# Allegro board RK3588_Template_LP4XD200P232SD10_32R6X52R0_2133MHz_H0R80_V10_20230220.brd
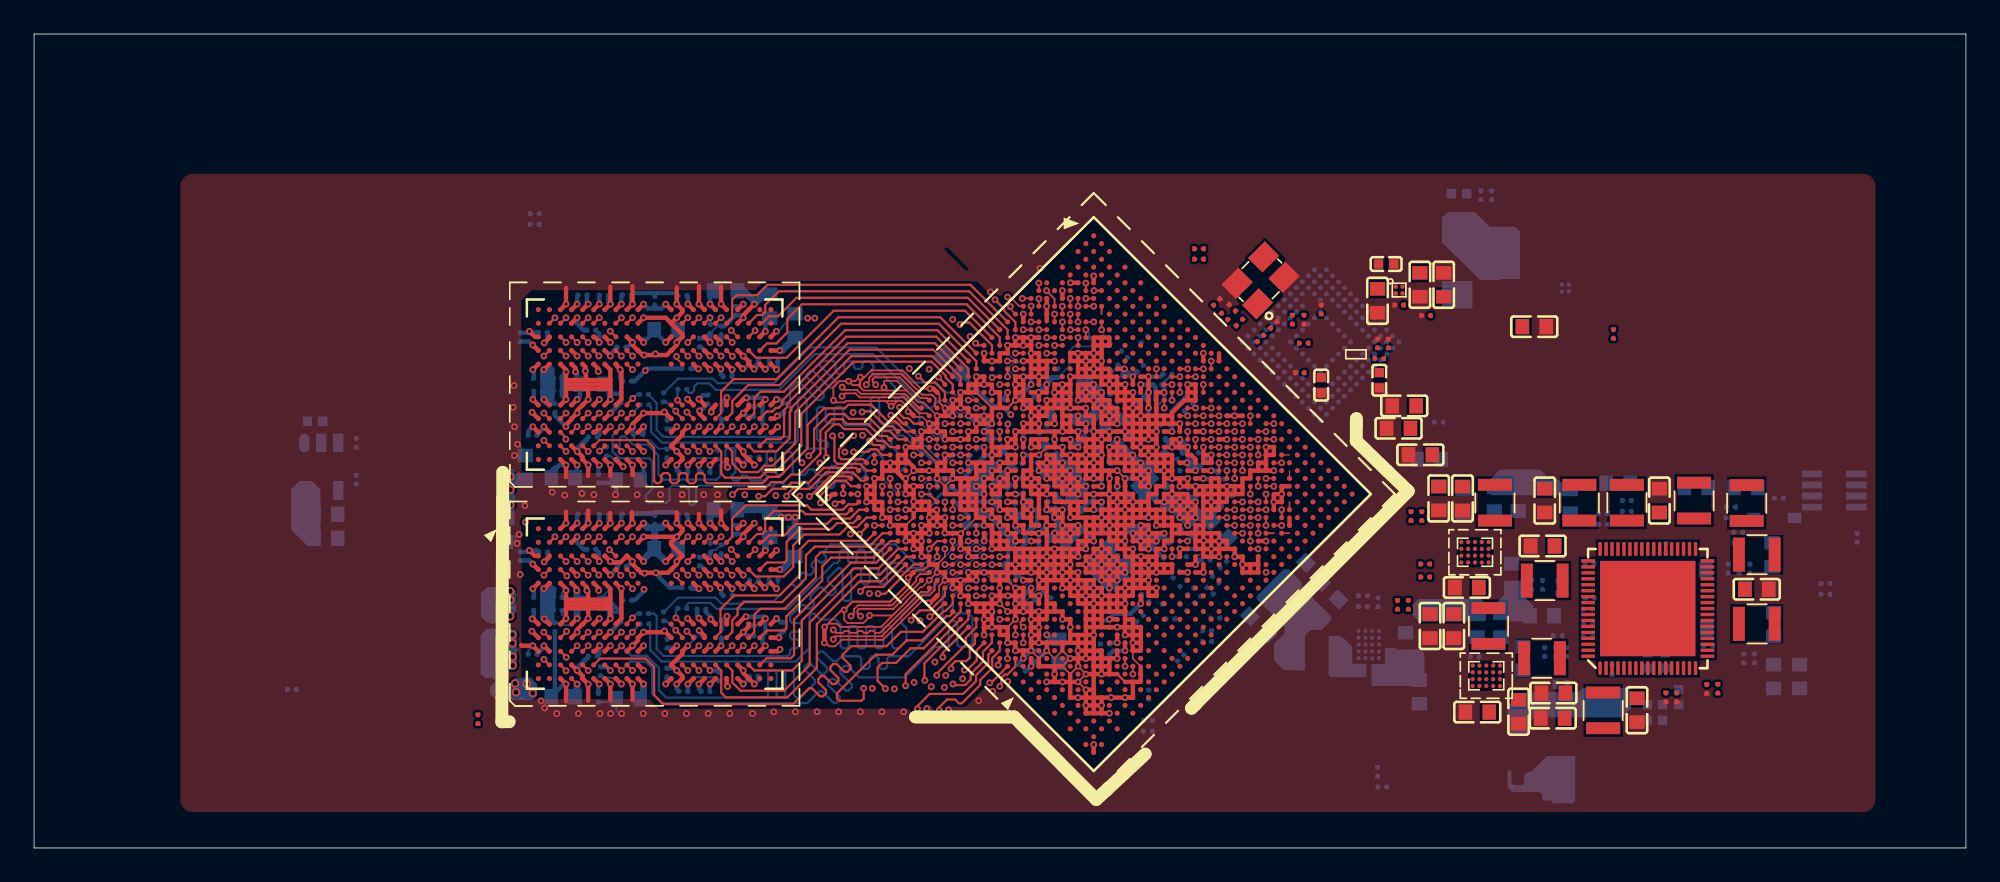
[diagram p0: board, top side]
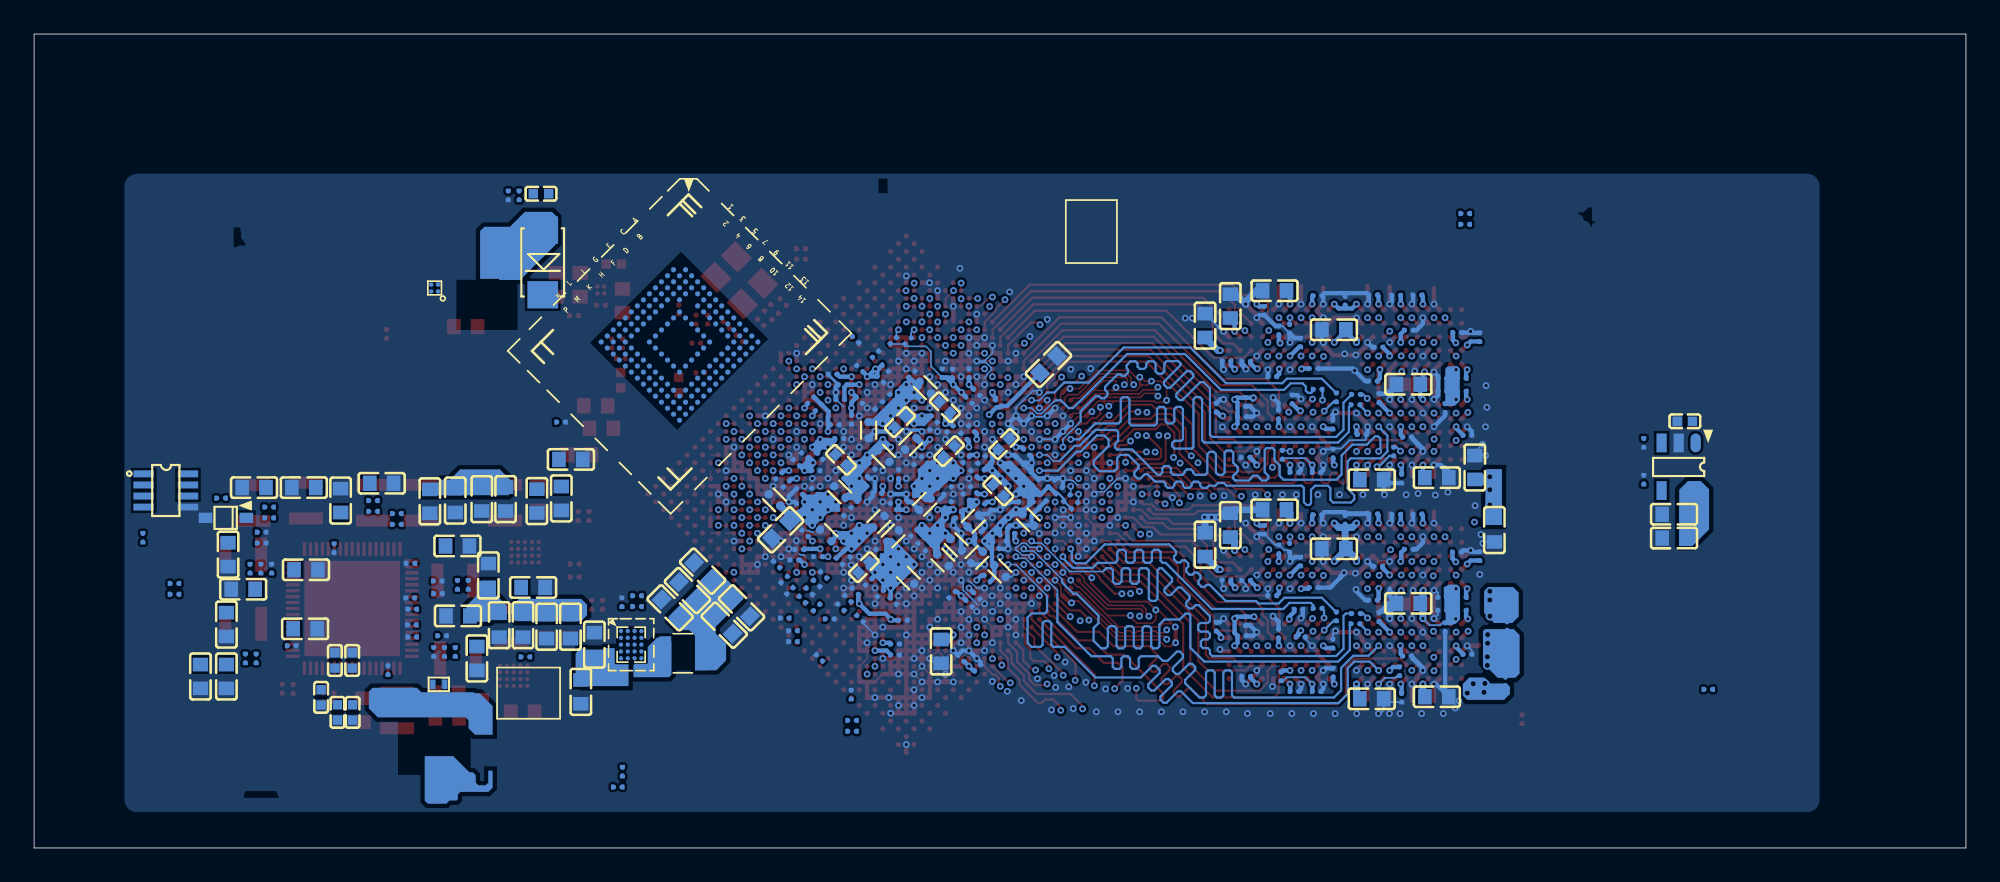
[diagram p1: board, bottom side, seen from below]

Outline 113.38 x 47.8 mm; copper layers: TOP, L2-GND1, L3-POWER1, L4-S1, L5-GND2, L6-S2, L7-GND3, L8_S3, L9_GND4, BOTTOM. Coordinates in mm from the lower left corner of the outline.
Outline path: 0,47.8 0,0 113.38,0 113.38,47.8 0,47.8

## Design rules (mm)
net group DDR_CH0_LP4/4X_CKE0/LP5_CS0_A: nets DDR_CH0_LP4/4X_CKE0/LP5_CS0_A DDR_CH0_LP4/4X_CKE0_A
net group DDR_CH0_LP4/4X_CKE0/LP5_CS0_B: nets DDR_CH0_LP4/4X_CKE0/LP5_CS0_B DDR_CH0_LP4/4X_CKE0_B
net group DDR_CH0_LP4/4X_CKE1/LP5_CS1_A: nets DDR_CH0_LP4/4X_CKE1/LP5_CS1_A DDR_CH0_LP4/4X_CKE1_A
net group DDR_CH0_LP4/4X_CKE1/LP5_CS1_B: nets DDR_CH0_LP4/4X_CKE1/LP5_CS1_B DDR_CH0_LP4/4X_CKE1_B
net group DDR_CH1_LP4/4X_CKE0/LP5_CS0_C: nets DDR_CH1_LP4/4X_CKE0/LP5_CS0_C DDR_CH1_LP4/4X_CKE0_C
net group DDR_CH1_LP4/4X_CKE0/LP5_CS0_D: nets DDR_CH1_LP4/4X_CKE0/LP5_CS0_D DDR_CH1_LP4/4X_CKE0_D
net group DDR_CH1_LP4/4X_CKE1/LP5_CS1_C: nets DDR_CH1_LP4/4X_CKE1/LP5_CS1_C DDR_CH1_LP4/4X_CKE1_C
net group DDR_CH1_LP4/4X_CKE1/LP5_CS1_D: nets DDR_CH1_LP4/4X_CKE1/LP5_CS1_D DDR_CH1_LP4/4X_CKE1_D
net group EMMC_CLKOUT: nets EMMC_CLKOUT N22937252
net group EMMC_DATA_STROBE: nets EMMC_DATA_STROBE N24452186
net group MIPI_CS1_RX_D0: nets MIPI_CSI1_RX_D0N MIPI_CSI1_RX_D0P
net group MIPI_CSI1_RX_CLK0: nets MIPI_CSI1_RX_CLK0N MIPI_CSI1_RX_CLK0P
net group MIPI_CSI1_RX_CLK1: nets MIPI_CSI1_RX_CLK1N MIPI_CSI1_RX_CLK1P
net group MIPI_CSI1_RX_D2: nets MIPI_CSI1_RX_D2N MIPI_CSI1_RX_D2P
net group MIPI_DPHY0_RX_CLK: nets MIPI_DPHY0_RX_CLKN MIPI_DPHY0_RX_CLKP
net group MIPI_DPHY0_RX_D0: nets MIPI_DPHY0_RX_D0N MIPI_DPHY0_RX_D0P
net group MIPI_DPHY0_RX_D1: nets MIPI_DPHY0_RX_D1N MIPI_DPHY0_RX_D1P
net group MIPI_DPHY0_RX_D2: nets MIPI_DPHY0_RX_D2N MIPI_DPHY0_RX_D2P
net group MIPI_DPHY0_RX_D3: nets MIPI_DPHY0_RX_D3N MIPI_DPHY0_RX_D3P
net group MIPI_DPHY0_TX_CLK: nets MIPI_DPHY0_TX_CLKN MIPI_DPHY0_TX_CLKP
net group MIPI_DPHY0_TX_D0: nets MIPI_DPHY0_TX_D0N MIPI_DPHY0_TX_D0P
net group MIPI_DPHY0_TX_D1: nets MIPI_DPHY0_TX_D1N MIPI_DPHY0_TX_D1P
net group MIPI_DPHY0_TX_D2: nets MIPI_DPHY0_TX_D2N MIPI_DPHY0_TX_D2P
net group MIPI_DPHY0_TX_D3: nets MIPI_DPHY0_TX_D3N MIPI_DPHY0_TX_D3P
net group MIPI_DPHY1_RX_CLK: nets MIPI_DPHY1_RX_CLKN MIPI_DPHY1_RX_CLKP
net group MIPI_DPHY1_RX_D0: nets MIPI_DPHY1_RX_D0N MIPI_DPHY1_RX_D0P
net group MIPI_DPHY1_RX_D1: nets MIPI_DPHY1_RX_D1N MIPI_DPHY1_RX_D1P
net group MIPI_DPHY1_RX_D2: nets MIPI_DPHY1_RX_D2N MIPI_DPHY1_RX_D2P
net group MIPI_DPHY1_RX_D3: nets MIPI_DPHY1_RX_D3N MIPI_DPHY1_RX_D3P
net group MIPI_DPHY1_TX_CLK: nets MIPI_DPHY1_TX_CLKN MIPI_DPHY1_TX_CLKP
net group MIPI_DPHY1_TX_D0: nets MIPI_DPHY1_TX_D0N MIPI_DPHY1_TX_D0P
net group MIPI_DPHY1_TX_D1: nets MIPI_DPHY1_TX_D1N MIPI_DPHY1_TX_D1P
net group MIPI_DPHY1_TX_D2: nets MIPI_DPHY1_TX_D2N MIPI_DPHY1_TX_D2P
net group MIPI_DPHY1_TX_D3: nets MIPI_DPHY1_TX_D3N MIPI_DPHY1_TX_D3P
net group PCIE20_1_REFCLK: nets PCIE20_1_REFCLKN PCIE20_1_REFCLKP
net group PCIE20_1_RXP/SATA30_1_RXP: nets PCIE20_1_RXN/SATA30_1_RXN PCIE20_1_RXP/SATA30_1_RXP
net group PCIE20_1_TXP/SATA30_1_TXP: nets PCIE20_1_TXN/SATA30_1_TXN PCIE20_1_TXP/SATA30_1_TXP
net group TYPEC0_OTG: nets TYPEC0_OTG_DM TYPEC0_OTG_DP
net group TYPEC0_RX2: nets TYPEC0_SSRX2N TYPEC0_SSRX2P
net group TYPEC0_SSRX1: nets TYPEC0_SSRX1N TYPEC0_SSRX1P
net group TYPEC0_SSTX1: nets TYPEC0_SSTX1N TYPEC0_SSTX1P
net group TYPEC0_SSTX2: nets TYPEC0_SSTX2N TYPEC0_SSTX2P
net group TYPEC1_OTG: nets TYPEC1_OTG_DM TYPEC1_OTG_DP
net group BOOT_SARADC_IN0: nets BOOT_SARADC_IN0
net group DDR: nets DDR_RESET
net group DDR_DQS: nets DDR_CH0_DQS0N_A DDR_CH0_DQS0N_B DDR_CH0_DQS0P_A DDR_CH0_DQS0P_B DDR_CH0_DQS1N_A DDR_CH0_DQS1N_B DDR_CH0_DQS1P_A DDR_CH0_DQS1P_B DDR_CH1_DQS0N_C DDR_CH1_DQS0N_D DDR_CH1_DQS0P_C DDR_CH1_DQS0P_D DDR_CH1_DQS1N_C DDR_CH1_DQS1N_D DDR_CH1_DQS1P_C DDR_CH1_DQS1P_D
net group M_MIPI_CSI0: nets MIPI_CSI0_RX_CLK0N MIPI_CSI0_RX_CLK0P MIPI_CSI0_RX_CLK1N MIPI_CSI0_RX_CLK1P MIPI_CSI0_RX_D0N MIPI_CSI0_RX_D0P MIPI_CSI0_RX_D2N MIPI_CSI0_RX_D2P

## Placement (name value [footprint] x y rotation side)
C1200  10uF  [C0402_BGA]  56.69 16.25 225 bottom
C1201  1uF  [C0201]  55.92 22.78 135 bottom
C1202  1uF  [C0201]  55.06 21.92 135 bottom
C1203  100nF  [C0201]  54.61 21.47 135 bottom
C1204  100nF  [C0201]  55.49 22.35 135 bottom
C1205  100nF  [C0201]  54.57 20.14 225 bottom
C1206  1uF  [C0201]  55.42 20.51 315 bottom
C1207  10uF  [C0402_BGA]  55.03 19.26 225 bottom
C1208  1uF  [C0201]  56.51 18.21 225 bottom
C1209  1uF  [C0201]  53.66 21.41 135 bottom
C1210  100nF  [C0201]  56.93 17.78 225 bottom
C1211  100nF  [C0201]  53.22 21 135 bottom
C1212  100nF  [C0201]  54.16 20.57 225 bottom
C1213  1uF  [C0201]  58.22 21.98 45 bottom
C1214  1uF  [C0201]  58.35 24.62 45 bottom
C1215  1uF  [C0201]  58.68 22.82 315 bottom
C1216  1uF  [C0201]  56.02 18.65 45 bottom
C1217  1uF  [C0201]  58.24 21.04 45 bottom
C1218  1uF  [C0201]  57.4 20.02 225 bottom
C1219  1uF  [C0201]  55.13 23.24 225 bottom
C1220  10uF  [C0402_BGA]  58.25 19.19 135 bottom
C1221  4.7uF  [C0402]  56.46 23.72 135 bottom
C1223  100nF  [C0201]  59.14 19.55 315 bottom
C1224  1uF  [C0201]  57.38 22.83 45 bottom
C1225  100nF  [C0201]  58.67 20.61 45 bottom
C1226  10uF  [C0402_BGA]  58.04 17.06 315 bottom
C1227  4.7uF  [C0402]  56.8 20.99 225 bottom
C1228  1uF  [C0201]  58.8 24.17 45 bottom
C1229  100nF  [C0201]  57.98 18.4 135 bottom
C1231  100nF  [C0201]  57.8 22.41 45 bottom
C1232  10uF  [C0603]  53.84 28.39 135 bottom
C3800  10uF  [C0603]  40.58 19.86 0 bottom
C3801  10uF  [C0603]  27.68 18.67 270 bottom
C3802  100nF  [C0201]  33.12 8.82 270 bottom
C3803  100nF  [C0201]  39.04 12.39 180 bottom
C3804  100nF  [C0201]  39.41 9.2 180 bottom
C3805  100nF  [C0201]  34.5 16.54 0 bottom
C3806  100nF  [C0201]  34.44 13.56 90 bottom
C3807  100nF  [C0201]  33.44 19.59 0 bottom
C3808  100nF  [C0201]  39.05 16.82 90 bottom
C3809  22uF  [C0603]  44.66 17.81 90 bottom
C3810  10uF  [C0603]  34.87 8.76 180 bottom
C3811  10uF  [C0603]  37.09 17.57 0 bottom
C3812  1uF  [C0201]  36.43 19.27 90 bottom
C3813  1uF  [C0201]  28.54 17.13 90 bottom
C3814  100nF  [C0201]  43.99 13 90 bottom
C3815  100nF  [C0201]  34.81 14.55 0 bottom
C3816  100nF  [C0201]  38.29 15.29 180 bottom
C3817  100nF  [C0201]  37.14 10.3 90 bottom
C3818  100nF  [C0201]  34.79 19.61 0 bottom
C3819  100nF  [C0201]  38.05 19.56 180 bottom
C3820  100nF  [C0201]  39.17 14.01 180 bottom
C3821  100nF  [C0201]  38.11 9.2 180 bottom
C3822  100nF  [C0201]  40.71 14.82 0 bottom
C3823  100nF  [C0201]  37.16 12 90 bottom
C3824  22uF  [C0603]  32.72 14.36 0 bottom
C3825  10uF  [C0603]  43.17 18.96 90 bottom
C3826  10uF  [C0603]  31.05 8.88 180 bottom
C3827  1uF  [C0201]  32.7 17.54 180 bottom
C3828  1uF  [C0201]  42.24 10.07 0 bottom
C3829  100nF  [C0201]  30.57 12.97 270 bottom
C3830  100nF  [C0201]  32.19 19.6 0 bottom
C3831  100nF  [C0201]  41.17 18.68 270 bottom
C3832  100nF  [C0201]  29.88 17.37 180 bottom
C3833  100nF  [C0201]  43.4 15.73 0 bottom
C3834  100nF  [C0201]  40.33 17.53 90 bottom
C3835  100nF  [C0201]  29.25 11.38 180 bottom
C3836  100nF  [C0201]  42.25 15.71 0 bottom
C3837  100nF  [C0201]  42.5 12.46 180 bottom
C3838  100nF  [C0201]  30.73 13.96 0 bottom
C3839  100nF  [C0201]  40.35 12.59 90 bottom
C3840  100nF  [C0201]  42.27 13.33 270 bottom
C3841  100nF  [C0201]  30.73 14.72 0 bottom
C3842  100nF  [C0201]  32.8 11.27 180 bottom
C3844  1nF  [C0201]  39.69 17.62 270 bottom
C3845  10uF  [C0603]  40.58 32.72 0 bottom
C3846  10uF  [C0603]  28.82 22.34 90 bottom
C3847  100nF  [C0201]  34.44 26.42 90 bottom
C3848  100nF  [C0201]  33.12 21.68 270 bottom
C3849  100nF  [C0201]  33.44 32.45 0 bottom
C3850  100nF  [C0201]  39.41 22.06 180 bottom
C3851  100nF  [C0201]  39.05 29.68 90 bottom
C3852  100nF  [C0201]  34.48 29.41 0 bottom
C3853  100nF  [C0201]  39.55 26.34 90 bottom
C3854  22uF  [C0603]  37.09 30.43 0 bottom
C3855  10uF  [C0603]  34.87 21.62 180 bottom
C3856  10uF  [C0603]  44.66 30.68 90 bottom
C3857  1uF  [C0201]  36.43 32.13 90 bottom
C3858  1uF  [C0201]  28.54 30 90 bottom
C3859  100nF  [C0201]  34.79 32.48 0 bottom
C3860  100nF  [C0201]  40.71 27.68 0 bottom
C3861  100nF  [C0201]  38.29 28.15 180 bottom
C3862  100nF  [C0201]  38.05 32.43 180 bottom
C3863  100nF  [C0201]  37.14 23.16 90 bottom
C3864  100nF  [C0201]  43.99 25.86 90 bottom
C3865  100nF  [C0201]  38.11 22.06 180 bottom
C3866  100nF  [C0201]  37.16 24.86 90 bottom
C3867  100nF  [C0201]  35.46 24.29 180 bottom
C3868  100nF  [C0201]  34.81 27.41 0 bottom
C3869  22uF  [C0603]  43.17 31.82 90 bottom
C3870  10uF  [C0603]  32.72 27.23 0 bottom
C3871  10uF  [C0603]  31.05 21.74 180 bottom
C3872  1uF  [C0201]  32.7 30.4 180 bottom
C3873  1uF  [C0201]  42.28 22.94 0 bottom
C3874  100nF  [C0201]  30.73 27.58 0 bottom
C3875  100nF  [C0201]  42.25 28.58 0 bottom
C3876  100nF  [C0201]  30.73 26.82 0 bottom
C3877  100nF  [C0201]  29.86 30.27 180 bottom
C3878  100nF  [C0201]  42.5 25.33 180 bottom
C3879  100nF  [C0201]  40.33 30.39 90 bottom
C3880  100nF  [C0201]  43.4 28.6 0 bottom
C3881  100nF  [C0201]  41.17 31.55 270 bottom
C3882  100nF  [C0201]  40.35 25.45 90 bottom
C3883  100nF  [C0201]  42.27 26.19 270 bottom
C3884  100nF  [C0201]  32.8 24.13 180 bottom
C3885  100nF  [C0201]  32.19 32.47 0 bottom
C3886  100nF  [C0201]  30.57 25.83 270 bottom
C3887  100nF  [C0201]  29.25 24.24 180 bottom
C3888  1nF  [C0201]  39.69 30.49 270 bottom
C3889  22uF  [C0603]  85.71 20.48 270 bottom
C3890  22uF  [C0603]  87.11 20.48 270 bottom
C3891  10uF  [C0402_BGA]  62.07 15.85 225 bottom
C3892  1uF  [C0201]  63.79 17.35 45 bottom
C3893  100nF  [C0201]  63.72 14.94 315 bottom
C3894  22uF  [C0603]  90.16 20.36 270 bottom
C3895  10uF  [C0402_BGA]  62.96 18.32 135 bottom
C3896  4.7uF  [C0402]  64.69 16.49 315 bottom
C3897  100nF  [C0201]  64.4 15.63 315 bottom
C3898  100nF  [C0201]  61.11 22.78 45 bottom
C3899  1uF  [C0201]  61.89 20.52 315 bottom
C3900  1uF  [C0201]  59.73 21.39 225 bottom
C3901  4.7uF  [C0402]  59.68 23.3 135 bottom
C3902  10uF  [C0402_BGA]  61.1 20.18 315 bottom
C3903  10uF  [C0402_BGA]  61.93 23.74 315 bottom
C3904  22uF  [C0603]  71.86 14.1 225 bottom
C3905  22uF  [C0603]  72.88 13.08 225 bottom
C3906  22uF  [C0603]  74.15 16.26 45 bottom
C3907  1uF  [C0201]  62.95 14.49 225 bottom
C3908  100nF  [C0201]  60.17 20.95 225 bottom
C3909  1uF  [C0201]  61.56 22.34 45 bottom
C3910  100nF  [C0201]  61.87 27.82 135 bottom
C3911  100nF  [C0201]  63.4 26.02 45 bottom
C3912  1uF  [C0201]  62.97 26.45 45 bottom
C3913  1uF  [C0201]  63.83 25.58 45 bottom
C3914  4.7uF  [C0402]  62.56 25.01 315 bottom
C3915  10uF  [C0402_BGA]  61.08 27.03 225 bottom
C3916  10uF  [C0402_BGA]  64.4 24.53 270 bottom
C3917  22uF  [C0603]  83.87 20.37 270 bottom
C3918  22uF  [C0603]  82.44 20.53 270 bottom
C3919  22uF  [C0603]  81.88 22.82 180 bottom
C3920  22uF  [C0603]  86.09 13.08 270 bottom
C3921  22uF  [C0603]  88.5 13.63 0 bottom
C3922  10uF  [C0402_BGA]  63.81 19.16 135 bottom
C3923  10uF  [C0402_BGA]  66.91 18.36 45 bottom
C3924  4.7uF  [C0402]  59.93 25.88 45 bottom
C3925  1uF  [C0201]  59.62 24.61 315 bottom
C3926  100nF  [C0201]  65.66 17.27 225 bottom
C3927  100nF  [C0201]  66.12 16.84 225 bottom
C3928  1uF  [C0201]  62.95 20.06 45 bottom
C3929  10uF  [C0402_BGA]  59.26 17.81 225 bottom
C3930  100nF  [C0201]  61.32 18.07 315 bottom
C3931  100nF  [C0201]  60.56 25.18 225 bottom
C3932  1uF  [C0201]  60.99 24.74 225 bottom
C3933  22uF  [C0603]  103.62 10.07 270 bottom
C3934  22uF  [C0603]  60.15 11.54 270 bottom
C3935  10uF  [C0402_BGA]  60.04 16.9 225 bottom
C3936  1uF  [C0201]  61.75 18.5 315 bottom
C3937  100nF  [C0201]  60.89 17.64 315 bottom
C3938  1uF  [C0201]  59.74 20.15 135 bottom
C3939  100nF  [C0201]  64.65 21.98 225 bottom
C3940  4.7uF  [C0402]  66.03 22.8 45 bottom
C3941  10uF  [C0402_BGA]  66.09 20.91 45 bottom
C3942  10uF  [C0402_BGA]  63.52 23.01 225 bottom
C3943  22uF  [C0603]  80.42 25.96 180 top
C3944  22uF  [C0603]  81.36 23.09 180 top
C3945  22uF  [C0603]  80.08 24.64 180 top
C3946  22uF  [C0603]  84.69 13.08 270 bottom
C3947  22uF  [C0603]  81.9 12.99 270 bottom
C3948  22uF  [C0603]  83.3 12.99 270 bottom
C3949  22uF  [C0603]  69.56 18.68 315 bottom
C3950  10uF  [C0402_BGA]  69.93 20.44 45 bottom
C3951  1uF  [C0201]  66.03 19.7 225 bottom
C3952  100nF  [C0201]  68.45 20.93 45 bottom
C3953  100nF  [C0201]  64.21 22.42 225 bottom
C3954  1uF  [C0201]  65.24 20.17 315 bottom
C3955  1uF  [C0201]  68.46 20.04 45 bottom
C3956  100nF  [C0201]  67.56 20.94 45 bottom
C3957  18pF  [C0201]  70.33 31.72 135 top
C3958  100nF  [C0201]  65.17 29.85 225 bottom
C3959  18pF  [C0201]  69.41 32.06 45 top
C3960  1uF  [C0201]  63.72 27.52 225 bottom
C3961  100nF  [C0201]  67.45 15.53 225 bottom
C3962  1uF  [C0201]  58.99 11.14 45 bottom
C3963  100nF  [C0201]  63.9 20.83 0 bottom
C3964  100nF  [C0201]  66.52 27.82 0 bottom
C3965  100nF  [C0201]  62.64 21.95 90 bottom
C3966  100nF  [C0201]  66.07 26.35 0 bottom
C3967  1uF  [C0201]  65.93 27.2 0 bottom
C3968  100nF  [C0201]  65.41 25.15 270 bottom
C3969  100nF  [C0201]  64.95 26.3 225 bottom
C3970  1uF  [C0201]  66.39 24.84 180 bottom
C3971  100nF  [C0201]  58.51 14.35 225 bottom
C3972  100nF  [C0201]  58.05 14.81 225 bottom
C3973  1uF  [C0201]  66.03 14.13 45 bottom
C3974  100nF  [C0201]  64.91 13.47 225 bottom
C3975  1uF  [C0201]  65.19 15.07 45 bottom
C3976  100nF  [C0201]  65.62 14.64 45 bottom
C3977  100nF  [C0201]  62.85 11.98 180 bottom
C3978  100nF  [C0201]  62.39 13.37 180 bottom
C3979  100nF  [C0201]  62.85 11.34 180 bottom
C3980  1nF  [C0201]  68.84 12.76 0 bottom
C3981  1nF  [C0201]  66.69 13.45 180 bottom
C3983  1nF  [C0201]  69.33 13.5 0 bottom
C3984  100nF  [C0201]  64.92 28.15 45 bottom
C3985  100nF  [C0201]  58.06 26.76 225 bottom
C3986  100nF  [C0201]  59.5 14.87 315 bottom
C3987  100nF  [C0201]  69.36 15.76 315 bottom
C3988  1uF  [C0201]  68.13 18.48 45 bottom
C3989  1uF  [C0201]  67.37 17.11 0 bottom
C3990  100nF  [C0201]  68.16 23.02 45 bottom
C3991  1uF  [C0201]  67.52 22.15 180 bottom
C3992  1uF  [C0201]  68.48 17.53 0 bottom
C3993  1uF  [C0201]  69.81 16.65 45 bottom
C3994  100nF  [C0201]  68.76 16.91 0 bottom
C3995  1uF  [C0201]  60.08 27.88 90 bottom
C3996  1uF  [C0201]  69.02 15.1 315 bottom
C3997  100nF  [C0201]  68.64 22.62 45 bottom
C3998  1uF  [C0201]  58.51 27.88 90 bottom
C3999  1uF  [C0201]  59.47 27.85 90 bottom
C4000  1uF  [C0201]  58 10.58 135 bottom
C4001  100nF  [C0201]  67.27 23.01 225 bottom
C4002  100nF  [C0201]  63.99 28.99 135 bottom
C4003  100nF  [C0201]  63.43 28.17 225 bottom
C4004  100nF  [C0201]  67.88 15.07 225 bottom
C4005  100nF  [C0201]  69.67 21.86 315 bottom
C4006  100nF  [C0201]  58.51 26.3 225 bottom
C4007  100nF  [C0201]  69.23 21.38 315 bottom
C4008  100nF  [C0201]  66.13 24.04 180 bottom
C4034  10uF  [C0603]  95.39 20.4 90 top
C4035  22uF  [C0603]  88.53 17.73 180 bottom
C4036  22uF  [C0603]  92.98 21.42 180 bottom
C4039  1uF  [C0201]  93.49 19.77 0 bottom
C4040  10uF  [C0603]  101.11 15.19 0 top
C4041  1uF  [C0201]  92.09 19 0 bottom
C4042  47uF/4V  [C0603]  88.66 20.4 270 top
C4045  22uF  [C0603]  88.66 20.4 270 bottom
C4046  22uF  [C0603]  97.42 16.34 180 bottom
C4047  22uF  [C0603]  102 17.23 270 bottom
C4050  100pF  [C0201]  100.71 16.4 270 bottom
C4051  1uF  [C0201]  99.58 20.02 180 bottom
C4055  22uF  [C0603]  100.47 21.16 0 bottom
C4056  10uF  [C0603]  89.17 9.1 180 top
C4057  22uF  [C0603]  88.53 17.73 180 top
C4058  22uF  [C0603]  87.39 11.13 270 bottom
C4061  100pF  [C0201]  88.66 11.51 90 bottom
C4062  1uF  [C0201]  88.53 15.45 270 bottom
C4066  22uF  [C0603]  86.72 16 90 bottom
C4067  10uF  [C0603]  94.08 8.09 270 top
C4068  22uF  [C0603]  97.47 12.87 180 bottom
C4069  22uF  [C0603]  89.13 7.62 180 top
C4071  1uF  [C0201]  100.98 11.13 90 bottom
C4075  22uF  [C0603]  102.09 10.07 270 bottom
C4076  10uF  [C0603]  101.11 15.19 0 bottom
C4077  10uF  [C0603]  95.39 20.4 90 bottom
C4078  22uF  [C0603]  102.09 13.12 270 bottom
C4081  22uF  [C0603]  97.55 21.16 0 bottom
C4082  1uF  [C0201]  91.19 14.02 0 bottom
C4083  1uF  [C0201]  89.68 14.94 180 bottom
C4084  1uF  [C0201]  96.41 8.84 270 top
C4085  1uF  [C0201]  89.69 15.68 180 bottom
C4086  1uF  [C0201]  98.26 11.87 180 bottom
C4087  1uF  [C0201]  91.21 13.11 0 bottom
C4088  1uF  [C0201]  91.29 16.71 0 bottom
C4089  1uF  [C0201]  89.44 12.46 180 bottom
C4090  1uF  [C0201]  91.2 12.4 0 bottom
C4091  2.2uF  [C0402]  96.54 8.84 270 bottom
C4092  1uF  [C0201]  95.77 8.84 270 top
C4093  2.2uF  [C0402]  95.73 11.01 90 bottom
C4094  1nF  [C0201]  100.03 17.91 180 bottom
C4095  10nF  [C0201]  95.77 17.61 270 bottom
C4096  2.2uF  [C0402]  94.71 11.01 90 bottom
C4097  1nF  [C0201]  92.61 10.45 90 bottom
C4098  2.2uF  [C0402]  95.58 7.96 270 bottom
C4099  1uF  [C0201]  91.31 14.68 0 bottom
C4100  2.2uF  [C0402]  94.69 7.96 270 bottom
C4101  22uF  [C0603]  80.5 11.94 90 bottom
C4102  22uF  [C0603]  81.29 9.16 270 bottom
C4103  22uF  [C0603]  84.09 15.3 180 bottom
C4104  22uF  [C0603]  84.09 15.3 180 top
C4105  1uF  [C0201]  77.99 14.18 180 bottom
C4109  22uF  [C0603]  75.04 15.11 45 bottom
C4110  22uF  [C0603]  76.05 14.1 45 bottom
C4111  1uF  [C0201]  81.45 19.49 90 top
C4115  22uF  [C0603]  82.44 20.53 270 top
C4116  22uF  [C0603]  83.84 20.53 270 top
C4119  10uF  [C0603]  88.05 30.61 0 top
C4120  22uF  [C0603]  87.13 8 270 top
C4121  22uF  [C0603]  84.7 7.98 180 top
C4122  22pF  [C0402]  83.63 38.42 0 bottom
C4123  22uF  [C0603]  82.73 33.07 90 top
C4124  100nF  [C0201]  81.69 31.27 180 top
C4125  1uF  [C0201]  80.66 14.28 90 top
C4126  47uF/4V  [C0603]  81.93 13.03 270 top
C4130  22uF  [C0603]  83.33 13.03 270 top
C4131  10uF  [C0603]  81.34 33.07 270 top
C4132  10uF  [C0603]  78.85 32.13 270 top
C4133  10uF  [C0603]  17.13 19.6 0 bottom
C4134  22uF  [C0603]  17.13 18.2 0 bottom
C4135  4.7uF  [C0402]  16.5 25.06 0 bottom
C4141  100nF  [C0201]  79.49 29.63 90 top
C4142  100nF  [C0201]  74.53 31.03 270 top
C4143  100nF  [C0201]  82.45 25.01 180 bottom
C4144  100nF  [C0201]  78.85 29.63 90 top
C4145  4.7uF  [C0402]  78.95 27.47 270 top
C4147  100nF  [C0201]  75.54 31.62 90 top
C4148  100nF  [C0201]  74.28 27.91 180 top
C4149  4.7uF  [C0402]  75.54 27.18 270 top
C4150  2.2uF  [C0402]  79.35 34.29 0 top
C4289  10pF  [C0201]  72.76 30.71 45 top
D1  BZT52C3V0  [SOD323]  102.12 19.38 180 bottom
D2  SS32  [SMAF]  83.53 34.39 90 bottom
ED4  AZ5825-01F  [DFN1006-2L]  89.63 9.61 180 bottom
L3  0.47uH  [IND_252012]  93.49 20.27 270 top
L4  0.22uH  [IND_252012]  90.69 20.27 90 top
L5  0.47uH  [IND_252012]  101.11 17.23 180 top
L6  0.24uH  [IND_252012]  100.52 20.26 90 top
L7  0.47uH  [IND_252012]  88.5 11.14 0 top
L8  0.24uH  [IND_252012]  88.66 15.7 180 top
L9  0.47uH  [IND_252012]  92.09 8.08 90 top
L11  0.47uH  [IND_252012]  101.11 13.16 180 top
L12  0.47uH  [IND_252012]  97.42 20.4 90 top
L13  0.24uH  [IND_252012]  75.29 11.43 180 bottom
L14  0.24uH  [IND_252012]  85.74 20.27 90 top
L16  0.24uH  [IND_252012]  85.36 13.03 90 top
R1200  240R  [R0201]  57.45 15.82 225 bottom
R1201  240R  [R0201]  52.31 20.1 315 bottom
R1202  240R  [R0201]  52.76 20.55 315 bottom
R1203  240R  [R0201]  56.77 26.13 225 bottom
R3801  49.9R  [R0201]  35.83 13.16 180 bottom
R3802  49.9R  [R0201]  35.8 13.77 180 bottom
R3804  49.9R  [R0201]  36.95 13.6 270 bottom
R3805  49.9R  [R0201]  38.05 14.07 180 bottom
R3806  10K  [R0201]  33.24 10.38 90 bottom
R3807  10K  [R0201]  40.19 10.07 270 bottom
R3808  0R  [R0201]  27.03 9.78 270 bottom
R3809  240R  [R0201]  29.59 13.96 180 bottom
R3810  240R  [R0201]  29.59 14.72 180 bottom
R3811  0R  [R0201]  26.93 13.03 90 bottom
R3812  49.9R  [R0201]  35.83 26.03 180 bottom
R3813  49.9R  [R0201]  35.8 26.63 180 bottom
R3814  49.9R  [R0201]  36.95 26.46 270 bottom
R3815  49.9R  [R0201]  38.05 26.93 180 bottom
R3816  10K  [R0201]  33.59 23.28 90 bottom
R3817  10K  [R0201]  40.12 23.09 270 bottom
R3818  240R  [R0201]  29.59 26.82 180 bottom
R3819  240R  [R0201]  29.59 27.58 180 bottom
R3821  510K  [R0201]  69.88 31.21 135 top
R3822  22R  [R0201]  70.74 30.86 225 top
R3825  2.2K  [R0201]  81.65 15.91 0 top
R3826  2.2K  [R0201]  81.65 16.67 0 top
R3827  2.2K  [R0201]  67.34 25.86 315 bottom
R3828  2.2K  [R0201]  67.8 26.29 315 bottom
R3833  200R  [R0201]  67.29 11.16 45 bottom
R3834  8.2K  [R0201]  67.04 16.04 45 bottom
R3835  200R  [R0201]  65.42 9.01 90 bottom
R3836  10K  [R0201]  15.12 9.31 0 bottom
R3837  10K  [R0201]  92.69 30.18 90 top
R3839  2.2K  [R0201]  62.95 29.79 135 bottom
R3840  2.2K  [R0201]  62.08 29.77 135 bottom
R3841  2.2K  [R0201]  68.37 34.58 0 top
R3842  2.2K  [R0201]  68.37 35.19 0 top
R3843  100K  [R0201]  67.46 14.12 315 bottom
R3844  DNP  [R0201]  68.84 12.12 0 bottom
R3845  2.2K  [R0201]  65.37 6.85 0 bottom
R3846  2.2K  [R0201]  65.37 7.49 0 bottom
R3847  2.2K  [R0201]  105.14 14.9 0 bottom
R3848  2.2K  [R0201]  105.14 15.53 0 bottom
R3849  2.2K  [R0201]  78.85 4.48 90 bottom
R3850  2.2K  [R0201]  79.12 3.58 0 bottom
R3851  2.2K  [R0201]  29.39 37.26 180 bottom
R3852  2.2K  [R0201]  29.39 36.62 180 bottom
R3879  100R  [R0201]  93.49 20.4 0 bottom
R3880  100R  [R0201]  92.09 19.64 0 bottom
R3881  120K  [R0201]  100.07 16.4 270 bottom
R3882  100R  [R0201]  99.58 19.38 180 bottom
R3883  100K  [R0201]  99.44 16.4 90 bottom
R3884  20K  [R0201]  89.3 11.51 90 bottom
R3885  100R  [R0201]  87.9 15.45 270 bottom
R3886  100K  [R0201]  89.93 11.51 270 bottom
R3887  100R  [R0201]  100.35 11.13 90 bottom
R3888  100K  [R0201]  98.17 9.34 270 top
R3890  10K  [R0201]  98.82 9.35 90 top
R3891  10K  [R0201]  106.99 18.22 270 bottom
R3892  39K  [R0201]  102.41 20.55 180 bottom
R3893  10K  [R0201]  100.03 18.54 0 bottom
R3894  100R  [R0201]  77.99 14.81 180 bottom